# Altium PCB OIS_Anakart.PcbDoc (part 2 of 3) (continued)
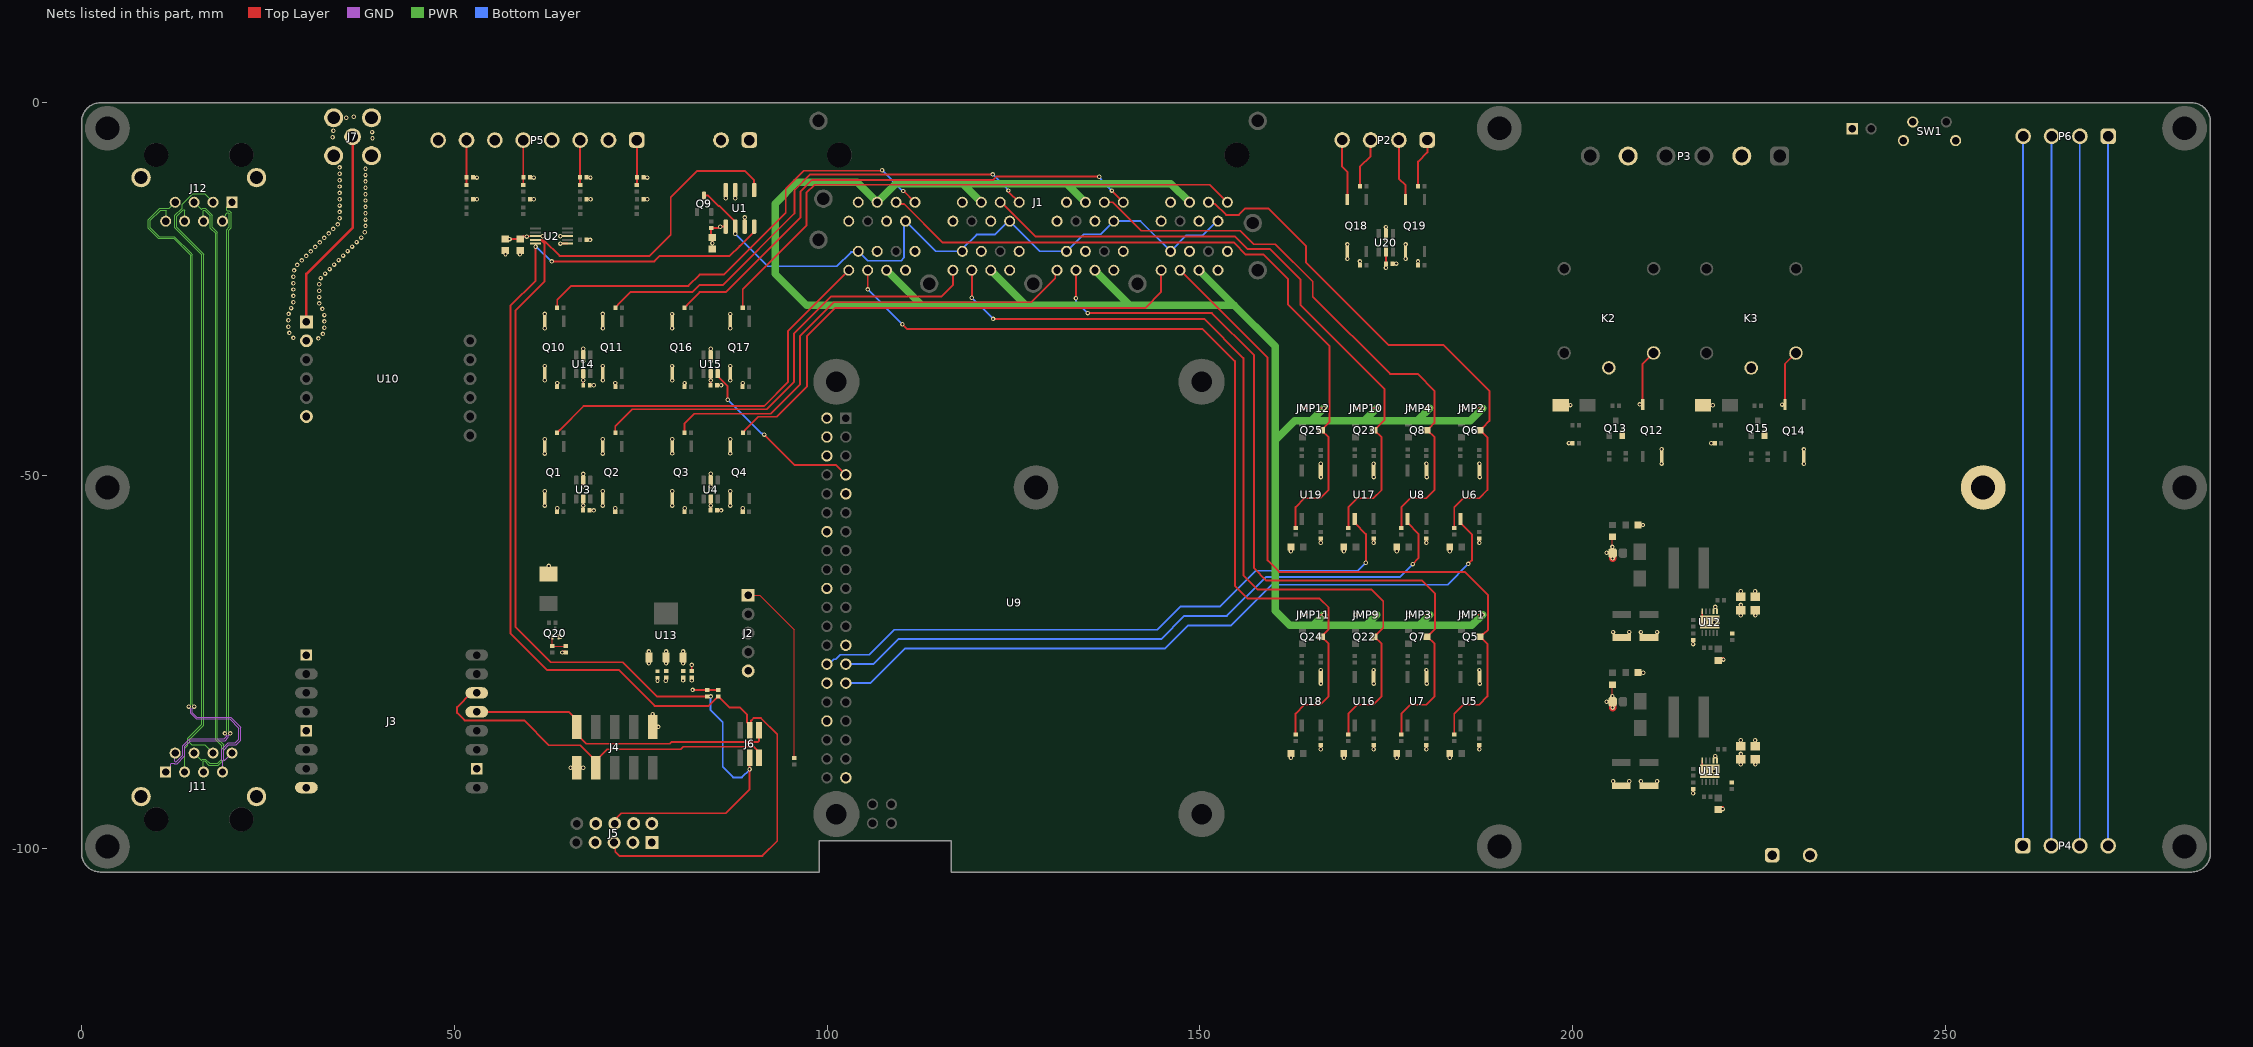
[diagram p4: the nets of this part, all layers, seen from the top]
## Nets (pads, with @x,y where several pads share a name; then routed paths per layer and width w, separated by ;. In a path a pad name is that pad's centre, name@x,y a point inside that pad or via, vN(x,y) a via of type N, cw(c..) or ccw(c..) an arc to the next point about the centre after c; other vN are vias at no path point)
+3V3: C1.2 C6.2 C7.2 C12.2 C28.2 C30.2 C31.2 C32.2 C33.2 C34.2 J2.1 J3.P8 J4.1 J5.4 LS1.P R7.1 R10.2 R12.2 R14.2 R16.2 R34.1 R35.2 R36.1@83.9,-78.768 R37.1@85.4,-78.768 R37.2@71.59,-38.082 R38.1@84.453,-16.8 R47.2 R49.2 R61.2 R63.2 U1.1 U2.8 U3.5 U4.5 U13.2 U14.5 U15.5 U20.5 | length 55.3
  Top Layer w0.127: J2.1@89.41,-66.061 90.961,-66.061 95.6,-70.7 R34.1@95.6,-87.928
  Top Layer w0.254: C7.2@56.808,-18.273 v1(57.405,-18.273) C6.2@58.838,-18.273 59.171,-17.94 v1(59.712,-17.94) 59.753,-17.899 60.885,-17.899 U2.8@60.898,-17.886 v1(61.867,-17.886) ; LS1.P@62.647,-63.198 v1(62.647,-62.13) ; R10.2@63.787,-54.885 v1(63.787,-54.391) ; R35.2@63.795,-38.082 v1(63.795,-37.588) ; v1(65.586,-89.2) J4.1@66.432,-89.2 ; C12.2@67.281,-54.685 U3.5@67.281,-53.14 ; C32.2@67.289,-37.882 U14.5@67.289,-36.337 ; R7.1@67.729,-18.399 v1(68.2,-18.399) ; R12.2@71.582,-54.885 v1(71.582,-54.391) ; R37.2@71.59,-38.082 v1(71.59,-37.588) ; v1(78.392,-73.598) 78.392,-74.407 U13.2@78.395,-74.41 v1(78.395,-75.22) ; R47.2@80.886,-38.088 v1(80.886,-37.594) ; R14.2@80.89,-54.878 v1(80.89,-54.384) ; v1(81.961,-78.768) R36.1@83.9,-78.768 R37.1@85.4,-78.768 ; C33.2@84.38,-37.888 U15.5@84.38,-36.343 v1(84.38,-37.241) ; C31.2@84.384,-54.678 U4.5@84.384,-53.133 ; C1.2@84.611,-17.818 84.555,-17.818 84.453,-17.716 R38.1@84.453,-16.8 85.403,-16.8 85.585,-16.618 v1(85.679,-16.618) U1.1@86.402,-16.618 ; R49.2@88.681,-38.088 v1(88.681,-37.594) ; R16.2@88.686,-54.878 v1(88.686,-54.384) ; R61.2@171.484,-21.772 v1(171.484,-21.278) ; v1(174.978,-22.125) C34.2@174.978,-21.572 U20.5@174.978,-20.027 ; R63.2@179.28,-21.772 v1(179.28,-21.278)
  other v1: 67.277,-89.2 67.281,-54.038 84.384,-54.031 67.289,-37.235
+5V: C27.2 C29.2 J5.1 J5.2 R53.2 SB1.2 U9.2 U9.4 U10.2 U13.3 | length 4.8
  Top Layer w0.152: v1(205.366,-79.586) 205.366,-78.065 R53.2@205.382,-78.05
  Top Layer w0.254: v1(80.682,-73.598) U13.3@80.682,-74.407 ; v1(80.685,-75.22) U13.3@80.685,-74.41 ; v1(81.85,-75.412) C29.2@81.85,-76.221 C29.2@81.853,-76.224 ; U13.3@80.682,-74.407 U13.3@80.685,-74.41 ; U13.3@80.682,-74.407 U13.3@80.685,-74.41
  Top Layer w1: v1(205.382,-81.134) SB1.2@205.382,-80.352
  other v1: 204.574,-80.362
+5V_IO: J1.5_P1 J1.5_P2 J1.5_P3 J1.5_P4 J1.5_P5 J1.5_P6 J1.5_P7 J1.5_P8 JMP1.3 JMP2.3 JMP3.3 JMP4.3 JMP9.3 JMP10.3 JMP11.3 JMP12.3 R58.2 SB2.2 | length 287
  Top Layer w0.152: v1(205.366,-59.586) 205.366,-58.255 R58.2@205.382,-58.24
  Top Layer w0.254: JMP11.3@166.112,-68.681 v1(166.649,-68.681) ; JMP12.3@166.112,-40.979 v1(166.649,-40.979) ; JMP9.3@173.212,-68.681 v1(173.749,-68.681) ; JMP10.3@173.213,-40.979 v1(173.749,-40.979) ; JMP3.3@180.312,-68.681 v1(180.849,-68.681) ; JMP4.3@180.312,-40.979 v1(180.849,-40.979) ; JMP1.3@187.413,-68.681 v1(187.949,-68.681) ; JMP2.3@187.413,-40.98 v1(187.949,-40.98)
  Top Layer w1: v1(205.382,-61.134) SB2.2@205.382,-60.352
  PWR w1: J1.5_P8@107.99,-22.46 112.688,-27.158 ; J1.5_P5@120.69,-13.34 118.186,-10.836 ; J1.5_P6@121.96,-22.46 126.658,-27.158 ; J1.5_P3@134.66,-13.34 132.156,-10.836 ; J1.5_P4@135.93,-22.46 140.628,-27.158 ; J1.5_P1@148.63,-13.34 146.126,-10.836 132.156,-10.836 ; J1.5_P2@149.9,-22.46 154.598,-27.158 ; 165.216,-42.412 v1(166.649,-40.979) ; v1(166.649,-68.681) 165.216,-70.114 ; 172.316,-42.412 v1(173.749,-40.979) ; v1(173.749,-68.681) 172.316,-70.114 ; 179.416,-42.412 v1(180.849,-40.979) ; v1(180.849,-68.681) 179.416,-70.114 ; v1(187.949,-68.681) 186.516,-70.114 179.416,-70.114 ; v1(187.949,-40.98) 186.282,-42.648 179.416,-42.648 172.316,-42.648 165.216,-42.648 162.727,-42.648 160.125,-45.25 ; 112.688,-27.158 97.239,-27.158 93.045,-22.963 93.045,-13.524 95.894,-10.675 104.055,-10.675 J1.5_P7@106.72,-13.34 109.224,-10.836 118.186,-10.836 ; 112.688,-27.158 126.658,-27.158 ; 118.186,-10.836 132.156,-10.836 ; 126.658,-27.158 140.628,-27.158 ; 140.628,-27.158 154.598,-27.158 ; 154.598,-27.158 160.125,-32.685 160.125,-45.25 ; 160.125,-45.25 160.125,-68.168 162.072,-70.114 165.216,-70.114 ; 165.216,-70.114 172.316,-70.114 ; 172.316,-70.114 179.416,-70.114
  other v1: 204.574,-60.362
+12V: C16.1 C17.1 C21.1 C22.1 D8.A D9.C D10.A D11.C J1.4_P1 J1.4_P2 J1.4_P3 J1.4_P4 J1.4_P5 J1.4_P6 J1.4_P7 J1.4_P8 J8.1 JMP1.1 JMP2.1 JMP3.1 JMP4.1 JMP9.1 JMP10.1 JMP11.1 JMP12.1 K2.2 K3.2 P1.1 Q12.6 Q14.6 R51.2 R56.2 U11.6 U11.7 U12.6 U12.7 | length 23.6
  Top Layer w0.127: v1(199.522,-45.656) D8.A@199.992,-45.656 ; v1(218.613,-45.668) D10.A@219.092,-45.668
  Top Layer w0.254: v1(163.774,-68.681) JMP11.1@164.308,-68.681 ; v1(163.774,-40.979) JMP12.1@164.308,-40.979 ; v1(170.874,-68.681) JMP9.1@171.408,-68.681 ; v1(170.874,-40.979) JMP10.1@171.409,-40.979 ; v1(177.974,-68.681) JMP3.1@178.508,-68.681 ; v1(177.974,-40.979) JMP4.1@178.508,-40.979 ; v1(185.074,-68.681) JMP1.1@185.609,-68.681 ; v1(185.074,-40.98) JMP2.1@185.609,-40.98 ; D9.C@198.429,-40.556 v1(199.724,-40.556) ; v1(209.024,-40.465) Q12.6@209.418,-40.465 209.418,-35.026 K2.2@210.888,-33.556 ; D11.C@217.529,-40.568 v1(218.824,-40.568) ; v1(228.124,-40.477) Q14.6@228.518,-40.477 228.518,-35.038 K3.2@229.988,-33.568
  other v1: 222.586,-88.766 224.546,-88.766 219.157,-87.637 222.604,-87.36 222.586,-68.766 224.546,-68.766 219.157,-67.637 222.604,-67.36
ADC0: C2.2 P5.1 R1.2 | length 6
  Top Layer w0.254: R1.2@74.485,-11.031 C2.2@74.485,-9.995 P5.1@74.485,-4.995
ADC1: C4.2 P5.3 R3.2 | length 6
  Top Layer w0.254: R3.2@66.865,-11.031 C4.2@66.865,-9.995 P5.3@66.865,-4.995
ADC2: C8.2 P5.5 R5.2 | length 6
  Top Layer w0.254: R5.2@59.245,-11.031 C8.2@59.245,-9.995 P5.5@59.245,-4.995
ADC3: C10.2 P5.7 R8.2 | length 6
  Top Layer w0.254: R8.2@51.625,-11.031 C10.2@51.625,-9.995 P5.7@51.625,-4.995
ADC_SCL: J5.5 J6.4 R37.2@85.4,-79.632 U1.4 U2.10 | length 169.2
  Top Layer w0.254: v1(60.898,-19.305) 60.898,-23.848 57.51,-27.236 57.51,-71.19 62.406,-76.086 72.052,-76.086 76.872,-80.906 84.096,-80.906 85.37,-79.632 R37.2@85.4,-79.632 85.43,-79.632 86.943,-81.145 88.336,-81.145 89.248,-82.057 89.248,-83.094 J6.4@89.606,-83.452 ; v1(63.058,-21.28) 76.84,-21.28 77.582,-20.538 86.942,-20.538 88.267,-19.213 90.212,-17.268 U1.4@90.212,-16.618 ; J5.5@71.412,-99.24 71.574,-99.402 71.574,-100.483 72.125,-101.034 91.317,-101.034 93.315,-99.036 93.315,-84.729 91.12,-82.534 90.154,-82.534 89.818,-82.871 89.818,-83.24 J6.4@89.606,-83.452 ; J5.5@71.564,-98.705 J5.5@71.755,-98.896 ; J6.4@89.606,-84.176 J6.4@89.606,-83.452
  Bottom Layer w0.254: v1(60.898,-19.305) 60.99,-19.305 62.966,-21.28 v1(63.058,-21.28)
ADC_SDA: J5.6 J6.3 R36.2@83.9,-79.632 U1.5 U2.9 | length 161.8
  Top Layer w0.254: U2.9@60.898,-18.386 61.493,-18.386 61.506,-18.399 61.654,-18.399 61.747,-18.492 ; J5.6@71.514,-96.165 71.648,-96.165 71.793,-96.02 71.793,-95.885 72.372,-95.307 86.394,-95.307 89.606,-92.095 v1(89.606,-89.407) J6.3@89.606,-87.859 ; R36.2@83.9,-79.632 77.143,-79.632 72.561,-75.05 62.938,-75.05 58.173,-70.285 58.173,-27.885 62.078,-23.981 62.078,-18.824 61.747,-18.492 ; U1.5@90.212,-11.708 90.212,-10.394 88.942,-9.124 82.566,-9.124 79.034,-12.657 79.034,-17.714 76.21,-20.538 64.124,-20.538 62.078,-18.492 61.747,-18.492
  Bottom Layer w0.254: v1(84.38,-79.647) 84.38,-81.462 86,-83.082 86,-89.1 87.4,-90.5 88.575,-90.5 89.606,-89.469 v1(89.606,-89.407)
AUX1: P4.4 P6.1 | length 95.2
  Bottom Layer w0.254: P4.4@271.869,-99.684 P6.1@271.869,-4.484
AUX2: P4.3 P6.2 | length 95.2
  Bottom Layer w0.254: P4.3@268.059,-99.684 P6.2@268.059,-4.484
AUX3: P4.2 P6.3 | length 95.2
  Bottom Layer w0.254: P4.2@264.249,-99.684 P6.3@264.249,-4.484
AUX4: P4.1 P6.4 | length 95.2
  Bottom Layer w0.254: P4.1@260.439,-99.684 P6.4@260.439,-4.484
BUZZER_CTRL: Q20.1 R66.2 R67.2 | length 3
  Top Layer w0.127: Q20.1@63.145,-71.623 R66.2@63.145,-72.883 R67.2@64.931,-72.883
COMMON_U_OIS_Relay1: K2.1 P3.5
COMMON_U_OIS_Relay2: K3.1 P3.2
DA_N: J11.2 J12.2 | length 82.5
  GND w0.127: J11.2@12.536,-87.245 12.45,-87.332 12.45,-88.33 12.524,-88.405 12.691,-88.405 13.58,-87.516 13.58,-86.23 14.51,-85.3 19.146,-85.3 19.438,-85.008 19.438,-84.903 19.21,-84.674 v1(19.21,-84.6)
  PWR w0.127: J12.2@18.886,-15.88 18.886,-15.514 19.35,-15.051 19.35,-14.925 19.555,-14.72 19.66,-14.72 19.816,-14.876 19.816,-16.63 19.446,-17 19.446,-84.289 19.21,-84.526 v1(19.21,-84.6)
DA_P: J11.1 J12.1 | length 84.1
  GND w0.127: J11.1@11.266,-89.785 11.942,-89.11 11.942,-88.733 12.038,-88.637 12.397,-88.637 12.419,-88.659 12.796,-88.659 13.834,-87.621 13.834,-86.335 14.616,-85.554 19.251,-85.554 19.692,-85.113 19.692,-84.919 19.937,-84.674 v1(19.937,-84.6)
  PWR w0.127: v1(19.937,-84.6) 19.937,-84.526 19.7,-84.289 19.7,-17.105 20.07,-16.735 20.07,-14.77 19.766,-14.466 19.555,-14.466 19.481,-14.392 19.481,-14.016 J12.1@20.156,-13.34
DB_N: J11.6 J12.6 | length 79.5
  PWR w0.127: J12.6@13.806,-15.88 13.806,-14.413 13.732,-14.339 13.627,-14.339 12.762,-15.203 12.762,-16.676 14.032,-17.946 15.114,-19.027 16.374,-20.288 16.374,-83.477 14.468,-85.383 14.468,-85.834 14.755,-86.121 16.493,-86.121 J11.6@17.616,-87.245
DB_P: J11.3 J12.3 | length 84.2
  PWR w0.127: J11.3@13.806,-89.785 13.806,-86.604 14.214,-86.196 14.214,-85.278 16.12,-83.372 16.12,-20.393 15.008,-19.281 13.943,-18.215 12.508,-16.781 12.508,-15.098 13.466,-14.141 13.466,-13.636 14.886,-12.216 16.493,-12.216 J12.3@17.616,-13.34
DC_N: J11.5 J12.5 | length 81.7
  PWR w0.127: J12.5@15.076,-13.34 16.018,-14.282 16.123,-14.282 16.272,-14.133 16.588,-14.133 17.53,-15.075 17.53,-16.704 18.216,-17.39 18.216,-85.328 19.028,-86.14 19.028,-88.154 18.328,-88.854 17.045,-88.854 16.482,-88.292 16.377,-88.292 16.303,-88.366 16.303,-89.741 J11.5@16.346,-89.785
DC_P: J11.4 J12.4 | length 80.9
  PWR w0.127: J11.4@15.076,-87.245 16.018,-88.187 16.123,-88.187 16.272,-88.038 16.588,-88.038 17.15,-88.6 18.223,-88.6 18.774,-88.049 18.774,-86.245 17.962,-85.433 17.962,-17.496 17.276,-16.81 17.276,-15.18 16.482,-14.387 16.377,-14.387 16.303,-14.461 16.303,-15.836 J12.4@16.346,-15.88
DD_N: J11.8 J12.8 | length 88.6
  GND w0.127: v1(15.091,-81) 15.091,-81.074 14.854,-81.311 14.854,-81.8 15.454,-82.4 19.972,-82.4 21.092,-83.52 21.346,-83.774 21.346,-85.515 20.737,-86.125 19.749,-86.125 19.035,-86.839 19.035,-88.112 19.11,-88.187 19.215,-88.187 J11.8@20.156,-87.245
  PWR w0.127: J12.8@11.266,-15.88 11.31,-15.836 11.31,-14.461 11.241,-14.393 10.576,-14.393 9.2,-15.769 9.2,-16.754 10.392,-17.946 12.434,-17.946 14.604,-20.115 14.854,-20.366 14.854,-80.689 15.091,-80.926 v1(15.091,-81)
DD_P: J11.7 J12.7 | length 89.4
  GND w0.127: v1(14.364,-81) 14.364,-81.074 14.6,-81.311 14.6,-81.905 15.349,-82.654 19.867,-82.654 21.092,-83.88 21.092,-85.41 20.632,-85.871 19.644,-85.871 18.781,-86.733 18.781,-88.217 18.93,-88.366 18.93,-89.741 J11.7@18.886,-89.785
  PWR w0.127: J12.7@12.536,-13.34 11.738,-14.139 10.471,-14.139 9.586,-15.024 8.946,-15.664 8.946,-16.859 10.287,-18.2 12.329,-18.2 14.6,-20.471 14.6,-80.689 14.364,-80.926 v1(14.364,-81)
DIN1_P: J1.1_P1 R50.2 | length 76.9
  Top Layer w0.254: R50.2@88.686,-27.488 88.686,-25.018 97.218,-16.485 97.218,-12.081 98.314,-10.985 151.355,-10.985 J1.1_P1@153.71,-13.34
DIN2_P: J1.1_P2 R17.2 | length 70.9
  Top Layer w0.254: R17.2@88.69,-44.278 88.69,-44.248 89.013,-43.926 89.013,-43.89 90.781,-42.122 93.229,-42.122 97.324,-38.027 97.324,-31.263 101.049,-27.537 142.656,-27.537 144.82,-25.373 J1.1_P2@144.82,-22.46
DIN3_P: J1.1_P3 R48.2 | length 69.8
  Top Layer w0.254: R48.2@80.886,-27.488 80.886,-27.458 81.208,-27.135 81.208,-27.1 82.91,-25.398 86.395,-25.398 96.451,-15.343 96.451,-11.857 97.978,-10.33 122.302,-10.33 122.723,-9.909 v1(136.518,-9.909) ; v1(138.213,-11.773) 138.213,-11.793 139.74,-13.32 J1.1_P3@139.74,-13.34
  Bottom Layer w0.254: v1(136.518,-9.909) 136.518,-10.003 136.771,-10.256 136.771,-10.33 v1(138.213,-11.773)
DIN4_P: J1.1_P4 R15.2 | length 64
  Top Layer w0.254: R15.2@80.89,-44.278 80.89,-43.008 82.185,-41.713 92.421,-41.713 96.394,-37.741 96.394,-31.263 100.903,-26.753 127.409,-26.753 130.616,-23.546 130.616,-22.694 J1.1_P4@130.85,-22.46
DIN5_P: J1.1_P5 R38.2@71.595,-27.482 | length 65.1
  Top Layer w0.254: R38.2@71.595,-27.482 71.595,-27.452 71.917,-27.129 71.917,-27.094 73.613,-25.398 81.933,-25.398 82.91,-24.421 86.052,-24.421 95.629,-14.844 95.629,-11.702 97.718,-9.613 v1(122.236,-9.613) ; v1(124.338,-11.763) 124.338,-11.908 J1.1_P5@125.77,-13.34
  Bottom Layer w0.254: v1(122.236,-9.613) 124.319,-11.696 124.319,-11.744 v1(124.338,-11.763)
DIN6_P: J1.1_P6 R13.2 | length 59.9
  Top Layer w0.254: R13.2@71.587,-44.285 71.587,-43.364 73.846,-41.105 91.92,-41.105 95.57,-37.454 95.57,-30.94 100.509,-26.001 115.332,-26.001 116.88,-24.453 J1.1_P6@116.88,-22.46
DIN7_P: J1.1_P7 R36.2@63.795,-27.482 | length 59.9
  Top Layer w0.254: R36.2@63.795,-27.482 63.795,-26.427 65.65,-24.572 81.387,-24.572 82.91,-23.049 86.143,-23.049 94.461,-14.731 94.461,-11.498 96.845,-9.114 107.324,-9.114 v1(107.379,-9.059) ; v1(110.227,-11.83) 110.258,-11.83 111.769,-13.34 J1.1_P7@111.8,-13.34
  Bottom Layer w0.254: v1(107.379,-9.059) 110.035,-11.715 110.112,-11.715 v1(110.227,-11.83)
DIN8_P: J1.1_P8 R11.2 | length 52.2
  Top Layer w0.254: R11.2@63.787,-44.285 63.787,-44.255 64.109,-43.932 64.109,-43.897 67.33,-40.675 91.562,-40.675 94.783,-37.454 94.783,-30.587 J1.1_P8@102.91,-22.46
DIN9_N: P2.2 Q19.3 | length 8.4
  Top Layer w0.254: P2.2@176.726,-4.988 176.726,-10.177 177.608,-11.059 Q19.3@177.608,-12.98
DIN9_P: P2.1 R64.2 | length 6.7
  Top Layer w0.254: R64.2@179.284,-11.172 179.284,-7.892 180.536,-6.64 P2.1@180.536,-4.988
DIN10_N: P2.4 Q18.3 | length 8.3
  Top Layer w0.254: P2.4@169.106,-4.988 169.106,-8.569 169.808,-9.271 Q18.3@169.808,-12.98
DIN10_P: P2.3 R62.2 | length 6.8
  Top Layer w0.254: R62.2@171.484,-11.172 171.484,-8.569 172.916,-7.137 P2.3@172.916,-4.988
DO1: J1.3_P2 Q5.3 R21.2 | length 98.5
  Top Layer w0.254: J1.3_P2@147.36,-22.46 159.102,-34.202 159.102,-61.381 160.646,-62.925 185.569,-62.925 188.68,-66.035 188.68,-70.673 188.053,-71.3 187.922,-71.3 Q5.3@187.599,-71.623 Q5.3@187.624,-71.623 ; R21.2@184.149,-84.749 184.149,-81.933 185.328,-80.754 187.491,-80.754 188.599,-79.646 188.599,-72.598 Q5.3@187.624,-71.623 ; Q5.3@187.947,-71.275 187.947,-71.3 Q5.3@187.624,-71.623
DO2: J1.3_P1 Q6.3 R25.2 | length 73.2
  Top Layer w0.254: J1.3_P1@151.17,-13.34 151.376,-13.546 152.04,-13.546 153.528,-15.035 155.241,-15.035 156.107,-14.168 159.217,-14.168 164.248,-19.199 164.248,-21.408 175.315,-32.476 182.678,-32.476 188.859,-38.657 188.859,-42.662 187.947,-43.575 Q6.3@187.947,-43.6 ; R25.2@184.149,-57.048 184.149,-54.232 185.327,-53.054 187.49,-53.054 188.599,-51.945 188.599,-44.898 187.624,-43.923 Q6.3@187.947,-43.599 ; Q6.3@187.599,-43.923 Q6.3@187.922,-43.599 ; Q6.3@187.868,-43.653 187.893,-43.653 Q6.3@187.947,-43.6
DO3: J1.3_P4 Q7.3 R29.2 | length 108.7
  Top Layer w0.254: v1(133.39,-26.231) J1.3_P4@133.39,-22.46 ; v1(134.985,-28.211) 151.638,-28.211 157.285,-33.857 157.285,-62.445 158.95,-64.11 179.829,-64.11 181.57,-65.851 181.57,-70.552 Q7.3@180.847,-71.275 ; R29.2@177.049,-84.749 177.049,-81.933 178.227,-80.754 180.39,-80.754 181.499,-79.646 181.499,-72.598 Q7.3@180.524,-71.623 ; Q7.3@180.524,-71.623 Q7.3@180.499,-71.623 Q7.3@180.524,-71.623 ; Q7.3@180.524,-71.623 Q7.3@180.847,-71.3 ; Q7.3@180.524,-71.623 Q7.3@180.847,-71.3 ; Q7.3@180.847,-71.3 Q7.3@180.847,-71.275 ; Q7.3@180.847,-71.3 Q7.3@180.847,-71.275
  Bottom Layer w0.254: v1(133.39,-26.231) 133.39,-26.616 v1(134.985,-28.211)
DO4: J1.3_P3 Q8.3 R33.2 | length 78.8
  Top Layer w0.254: J1.3_P3@137.2,-13.34 138.336,-13.34 142.16,-17.165 155.415,-17.165 157.224,-18.973 160.161,-18.973 165.159,-23.971 165.159,-25.992 175.541,-36.375 179.221,-36.375 181.475,-38.629 181.475,-42.945 180.847,-43.573 Q8.3@180.847,-43.598 ; R33.2@177.049,-57.047 177.049,-54.231 178.227,-53.052 180.39,-53.052 181.499,-51.944 181.499,-44.896 180.524,-43.921 Q8.3@180.847,-43.598 ; Q8.3@180.499,-43.921 Q8.3@180.822,-43.598 ; Q8.3@180.768,-43.652 180.793,-43.652 Q8.3@180.847,-43.598
DO5: J1.3_P6 Q22.3 R72.2 | length 115
  Top Layer w0.254: v1(119.42,-26.142) J1.3_P6@119.42,-22.46 ; v1(122.27,-28.991) 150.582,-28.991 155.845,-34.255 155.845,-63.391 157.764,-65.31 173.055,-65.31 174.614,-66.869 174.614,-70.433 Q22.3@173.542,-71.505 ; R72.2@169.949,-84.749 169.949,-81.933 171.127,-80.754 173.29,-80.754 174.399,-79.646 174.399,-72.598 Q22.3@173.424,-71.623 ; Q22.3@173.399,-71.623 Q22.3@173.424,-71.623 ; Q22.3@173.747,-71.275 173.747,-71.3 Q22.3@173.424,-71.623
  Bottom Layer w0.254: v1(119.42,-26.142) v1(122.27,-28.991)
DO6: J1.3_P5 Q23.3 R76.2 | length 87.2
  Top Layer w0.254: J1.3_P5@123.23,-13.34 123.365,-13.34 127.975,-17.95 154.733,-17.95 156.408,-19.626 159.434,-19.626 163.504,-23.695 163.504,-27.094 174.807,-38.398 174.807,-42.513 173.747,-43.574 Q23.3@173.747,-43.599 ; R76.2@169.949,-57.047 169.949,-54.231 171.127,-53.053 173.29,-53.053 174.399,-51.944 174.399,-44.897 173.424,-43.922 Q23.3@173.747,-43.599 ; Q23.3@173.399,-43.922 Q23.3@173.722,-43.599 ; Q23.3@173.668,-43.652 173.693,-43.652 Q23.3@173.747,-43.599
DO7: J1.3_P8 Q24.3 R80.2 | length 120.7
  Top Layer w0.254: v1(105.45,-25.043) J1.3_P8@105.45,-22.46 ; v1(110.111,-29.704) 110.757,-30.35 150.394,-30.35 154.706,-34.663 154.706,-64.77 156.445,-66.509 166.099,-66.509 167.299,-67.708 167.299,-70.623 166.647,-71.275 166.647,-71.3 Q24.3@166.324,-71.623 ; R80.2@162.849,-84.749 162.849,-81.933 164.027,-80.754 166.19,-80.754 167.299,-79.646 167.299,-72.598 Q24.3@166.324,-71.623 ; Q24.3@166.299,-71.623 Q24.3@166.324,-71.623
  Bottom Layer w0.254: v1(105.45,-25.043) v1(110.111,-29.704)
DO8: J1.3_P7 Q25.3 R84.2 | length 97.1
  Top Layer w0.254: J1.3_P7@109.26,-13.34 109.495,-13.574 110.334,-13.574 115.525,-18.765 154.599,-18.765 156.201,-20.367 158.572,-20.367 161.864,-23.659 161.864,-27.094 167.415,-32.645 167.415,-42.805 166.647,-43.573 Q25.3@166.647,-43.598 ; R84.2@162.849,-57.047 162.849,-54.231 164.027,-53.052 166.19,-53.052 167.299,-51.944 167.299,-44.896 166.324,-43.921 Q25.3@166.593,-43.652 ; Q25.3@166.299,-43.921 Q25.3@166.622,-43.598 ; Q25.3@166.568,-43.652 Q25.3@166.593,-43.652 ; Q25.3@166.593,-43.652 Q25.3@166.647,-43.598 ; Q25.3@166.593,-43.652 Q25.3@166.647,-43.598
DS_IO: J1.2_P1 J1.2_P2 J1.2_P3 J1.2_P4 J1.2_P5 J1.2_P6 J1.2_P7 J1.2_P8 Q9.3 U1.2 | length 90.4
  Top Layer w0.254: Q9.3@83.503,-12.451 84.038,-12.451 85.453,-13.865 85.57,-13.865 87.672,-15.968 U1.2@87.672,-16.618 v1(87.672,-17.579)
  Bottom Layer w0.254: v1(87.672,-17.579) 92.02,-21.927 101.323,-21.927 103.217,-20.033 104.068,-20.033 J1.2_P8@104.18,-19.92 105.448,-21.188 109.922,-21.188 110.318,-20.792 110.318,-16.093 J1.2_P7@110.53,-15.88 114.57,-19.92 J1.2_P6@118.15,-19.92 118.15,-19.593 120.055,-17.689 122.484,-17.689 124.292,-15.88 J1.2_P5@124.5,-15.88 128.54,-19.92 J1.2_P4@132.12,-19.92 132.161,-19.92 134.451,-17.63 136.721,-17.63 J1.2_P3@138.47,-15.88 142.05,-15.88 J1.2_P2@146.09,-19.92 146.09,-19.909 148.207,-17.792 150.391,-17.792 152.303,-15.88 J1.2_P1@152.44,-15.88
ESP_SCL: J3.P13 J4.2 J6.6 | length 42.4
  Top Layer w0.254: J3.P13@53.005,-81.708 65.354,-81.708 66.432,-82.786 J4.2@66.432,-83.739 66.94,-84.247 66.94,-85.256 67.667,-85.983 78.888,-85.983 79.108,-85.763 90.673,-85.763 90.876,-85.56 J6.6@90.876,-84.176
ESP_SDA: J3.P14 J4.3 J6.5 | length 50.1
  Top Layer w0.254: J3.P14@53.005,-79.168 52.282,-79.168 50.368,-81.082 50.368,-81.855 51.372,-82.859 59.351,-82.859 62.68,-86.188 66.912,-86.188 J4.3@68.972,-88.247 ; J4.3@68.972,-89.2 J4.3@68.972,-88.247 ; J6.5@90.876,-87.859 90.876,-87.135 90.133,-86.392 80.71,-86.392 80.372,-86.731 70.488,-86.731 J4.3@68.972,-88.247
FGND: J11.S1 J11.S2 J12.S1 J12.S2
GMS_ANT: J7.1 U10.1 | length 27.4
  Top Layer w0.349: U10.1@30.145,-29.388 30.145,-22.966 36.337,-16.774 J7.1@36.337,-4.548
GND: C1.1 C2.1 C3.1 C4.1 C5.1 C6.1 C7.1 C8.1 C9.1 C10.1 C11.1 C12.1 C16.2 C17.2 C18.1 C19.1 C20.1 C21.2 C22.2 C24.1 C25.1 C26.1 C27.1 C28.1 C29.1 C30.1 C31.1 C32.1 C33.1 C34.1 D1.C D2.C D3.C D4.C D5.C D15.C D17.C D18.C D19.C D20.C D21.C J1.7_P1 J1.7_P2 J1.7_P3 J1.7_P4 J1.7_P5 J1.7_P6 J1.7_P7 J1.7_P8 J1.8_P1 J1.8_P2 J1.8_P3 J1.8_P4 J1.8_P5 J1.8_P6 J1.8_P7 J1.8_P8 J2.5 J3.P1 J3.P5 J3.P10 J4.10 J5.3 J5.7 J5.8 J7.SH1 J7.SH2 J7.SH3 J7.SH4 J8.2 MH4.1 P1.2 P5.2 P5.4 P5.6 P5.8 Q1.3 Q1.4 Q2.3 Q2.4 Q3.3 Q3.4 Q4.3 Q4.4 Q10.3 Q10.4 Q11.3 Q11.4 Q12.3 Q13.2 Q14.3 Q15.2 Q16.3 Q16.4 Q17.3 Q17.4 Q18.4 Q19.4 Q20.2 R20.1 R24.1 R28.1 R32.1 R55.2 R60.2 R67.1 R71.1 R75.1 R79.1 R83.1 SW1.2 SW1.G1 SW1.G2 U1.3 U1.7 U1.8 U2.1 U2.3 U3.2 U4.2 U5.4 U6.4 U7.4 U8.4 U9.6 U9.9 U9.14 U9.20 U9.25 U9.30 U9.34 U9.39 U10.6 U11.10 U11.11 U12.10 U12.11 U13.1 U14.2 U15.2 U16.4 U17.4 U18.4 U19.4 U20.2 | length 121.2
  Top Layer w0.127: C11.1@52.499,-12.934 v1(53.025,-12.934) ; C10.1@52.499,-9.995 52.534,-10.03 v1(53.021,-10.03)
  Top Layer w0.254: C10.1@52.495,-10.03 C10.1@52.534,-10.03 ; C8.1@60.115,-10.03 v1(60.641,-10.03) ; C9.1@60.119,-12.934 v1(60.645,-12.934) ; Q1.4@62.111,-53.076 v1(62.111,-52.115) ; v1(62.111,-47.055) v1(62.111,-45.131) ; v1(62.115,-54.038) Q1.4@62.115,-53.076 ; Q20.2@63.945,-71.623 v1(64.234,-71.623) ; v1(64.228,-18.886) U2.1@65.198,-18.886 ; v1(64.228,-17.886) U2.3@65.198,-17.886 ; v1(64.477,-73.747) 64.477,-73.639 64.497,-73.619 64.911,-73.619 R67.1@64.931,-73.6 ; v1(67.281,-51.475) U3.2@67.281,-50.63 v1(67.281,-49.785) ; C4.1@67.735,-10.03 v1(68.261,-10.03) ; C5.1@67.739,-12.934 v1(68.265,-12.934) ; C12.1@68.155,-54.685 v1(68.681,-54.685) ; Q2.4@69.911,-53.076 v1(69.911,-52.115) ; Q2.3@69.911,-46.093 v1(69.911,-45.131) ; v1(69.915,-54.038) Q2.4@69.915,-53.076 ; v1(69.915,-47.054) Q2.3@69.915,-46.093 ; C2.1@75.355,-10.03 v1(75.881,-10.03) ; C3.1@75.359,-12.934 v1(75.885,-12.934) ; v1(76.102,-73.598) 76.102,-74.407 U13.1@76.105,-74.41 v1(76.105,-75.22) ; J4.10@76.592,-83.739 v1(76.592,-82.007) ; C30.1@77.246,-77.132 C30.1@77.249,-77.135 v1(77.249,-77.535) ; v1(78.367,-77.535) 78.367,-77.151 C28.1@78.395,-77.123 C28.1@78.392,-77.12 ; Q3.4@79.214,-53.07 v1(79.214,-52.108) ; v1(79.214,-47.048) v1(79.214,-45.125) ; v1(79.219,-54.031) Q3.4@79.219,-53.07 ; C27.1@80.682,-77.105 C27.1@80.685,-77.108 v1(80.685,-77.502) ; C29.1@81.85,-77.095 81.853,-77.098 v1(81.853,-77.502) ; v1(84.38,-34.678) U15.2@84.38,-33.833 v1(84.38,-32.988) ; v1(84.384,-51.468) U4.2@84.384,-50.623 v1(84.384,-49.778) ; v1(84.611,-18.85) 84.611,-18.199 ; C31.1@85.258,-54.678 v1(85.784,-54.678) ; v1(86.402,-12.793) U1.8@86.402,-11.708 ; Q4.4@87.014,-53.07 v1(87.014,-52.108) ; Q4.3@87.014,-46.086 v1(87.014,-45.125) ; v1(87.019,-54.031) Q4.4@87.019,-53.07 ; v1(87.019,-47.048) Q4.3@87.019,-46.086 ; v1(87.672,-12.793) U1.7@87.672,-11.708 ; U1.3@88.942,-16.618 v1(88.942,-15.38) v1@88.942,-15.363 ; v1(162.235,-87.859) D20.C@162.235,-87.281 ; v1(162.235,-60.157) D21.C@162.235,-59.579 ; v1(166.219,-86.723) R79.1@166.219,-86.145 ; U18.4@166.219,-77.031 v1(166.219,-76.111) v1@166.249,-76.081 ; v1(166.219,-59.021) R83.1@166.219,-58.443 ; U19.4@166.219,-49.329 v1(166.219,-48.409) v1@166.249,-48.379 ; v1@166.225,-77.948 v1(166.255,-77.918) U18.4@166.255,-76.998 ; v1@166.225,-50.246 v1(166.255,-50.216) U19.4@166.255,-49.296 ; v1(169.335,-87.859) D18.C@169.335,-87.281 ; v1(169.335,-60.157) D19.C@169.335,-59.579 ; Q18.4@169.808,-19.963 v1(169.808,-19.002) ; v1(169.812,-20.925) Q18.4@169.812,-19.963 ; v1(173.319,-86.723) R71.1@173.319,-86.145 ; U16.4@173.319,-77.031 v1(173.319,-76.111) v1@173.349,-76.081 ; v1(173.319,-59.021) R75.1@173.319,-58.443 ; U17.4@173.319,-49.329 v1(173.319,-48.409) v1@173.349,-48.379 ; v1@173.325,-77.948 v1(173.355,-77.918) U16.4@173.355,-76.998 ; v1@173.325,-50.246 v1(173.355,-50.216) U17.4@173.355,-49.296 ; v1(174.978,-18.362) U20.2@174.978,-17.517 v1(174.978,-16.672) ; C34.1@175.852,-21.572 v1(176.378,-21.572) ; v1(176.435,-87.859) D3.C@176.435,-87.281 ; v1(176.435,-60.157) D4.C@176.435,-59.579 ; Q19.4@177.608,-19.963 v1(177.608,-19.002) ; v1(177.612,-20.925) Q19.4@177.612,-19.963 ; v1(180.419,-86.723) R28.1@180.419,-86.145 ; U7.4@180.419,-77.031 v1(180.419,-76.111) v1@180.449,-76.081 ; v1(180.419,-59.021) R32.1@180.419,-58.443 ; U8.4@180.419,-49.329 v1(180.419,-48.409) v1@180.449,-48.379 ; v1@180.425,-77.948 v1(180.455,-77.918) U7.4@180.455,-76.998 ; v1@180.425,-50.246 v1(180.455,-50.216) U8.4@180.455,-49.296 ; v1(183.535,-87.859) D1.C@183.535,-87.281 ; v1(183.535,-60.158) D2.C@183.535,-59.58 ; v1(187.519,-86.723) R20.1@187.519,-86.145 ; U5.4@187.519,-77.031 v1(187.519,-76.111) v1@187.549,-76.081 ; v1(187.519,-59.022) R24.1@187.519,-58.444 ; U6.4@187.519,-49.33 v1(187.519,-48.41) v1@187.549,-48.38 ; v1@187.526,-77.948 v1(187.556,-77.918) U5.4@187.556,-76.998 ; v1@187.525,-50.247 v1(187.555,-50.217) U6.4@187.555,-49.297 ; Q13.2@206.663,-44.656 v1(206.663,-44.117) ; D15.C@208.798,-76.45 v1(209.486,-76.45) ; D17.C@208.798,-56.64 v1(209.469,-56.64) ; v1(211.958,-48.406) Q12.3@211.958,-47.448 v1(211.958,-46.49) ; R55.2@216.182,-92.058 v1(216.182,-92.615) v1@216.216,-92.649 ; R60.2@216.182,-72.058 v1(216.182,-72.615) v1@216.216,-72.649 ; U11.10@217.419,-88.23 217.419,-88.928 218.169,-89.678 U11.11@218.42,-89.678 ; U12.10@217.419,-68.23 217.419,-68.928 218.169,-69.678 U12.11@218.42,-69.678 ; C20.1@219.57,-94.833 219.903,-94.5 220.187,-94.5 220.187,-94.741 220.17,-94.759 v1(220.164,-94.759) ; C26.1@219.57,-74.833 219.903,-74.5 220.262,-74.5 v1(220.262,-74.689) ; C16.2@222.596,-86.295 v1(222.596,-85.529) ; C21.2@222.596,-66.295 v1(222.596,-65.529) ; C17.2@224.498,-86.295 v1(224.498,-85.519) ; C22.2@224.498,-66.295 v1(224.498,-65.519) ; Q15.2@225.763,-44.668 v1(225.763,-44.13) ; v1(231.058,-48.418) Q14.3@231.058,-47.46 v1(231.058,-46.502) ; U14.2@67.289,-33.827 v1(67.289,-32.982) U14.2@67.289,-33.827 ; U14.2@67.289,-33.827 v1(67.289,-34.672) U14.2@67.289,-33.827 ; Q10.4@62.119,-36.274 v1(62.119,-35.312) Q10.4@62.119,-36.274 ; v1(62.119,-30.252) v1(62.119,-28.328) v1(62.119,-30.252) ; v1(62.123,-37.235) 62.123,-36.273 v1(62.123,-37.235) ; C32.1@68.163,-37.882 v1(68.689,-37.882) C32.1@68.163,-37.882 ; Q11.4@69.919,-36.274 v1(69.919,-35.312) Q11.4@69.919,-36.274 ; Q11.3@69.919,-29.29 v1(69.919,-28.328) Q11.3@69.919,-29.29 ; v1(69.923,-37.235) 69.923,-36.273 v1(69.923,-37.235) ; v1(69.923,-30.252) 69.923,-29.29 v1(69.923,-30.252) ; Q16.4@79.21,-36.28 v1(79.21,-35.318) Q16.4@79.21,-36.28 ; v1(79.21,-30.258) v1(79.21,-28.334) v1(79.21,-30.258) ; v1(79.214,-37.241) 79.214,-36.279 v1(79.214,-37.241) ; C33.1@85.254,-37.888 v1(85.78,-37.888) C33.1@85.254,-37.888 ; Q17.4@87.01,-36.28 v1(87.01,-35.318) Q17.4@87.01,-36.28 ; Q17.3@87.01,-29.296 v1(87.01,-28.334) Q17.3@87.01,-29.296 ; v1(87.014,-37.241) 87.014,-36.279 v1(87.014,-37.241) ; v1(87.014,-30.258) 87.014,-29.296 v1(87.014,-30.258)
  other v1: 205.455,-91.013 207.635,-91.013 209.183,-91.013 211.362,-91.013 219.04,-89.691 217.799,-89.664 77.37,-83.739 205.455,-71.013 207.635,-71.013 209.183,-71.013 211.362,-71.013 219.04,-69.691 217.799,-69.664 31.755,-31.609 28.405,-31.536 32.361,-31.007 27.861,-30.878 32.565,-30.178 27.725,-30.035 32.565,-29.324 27.725,-29.181 32.56,-28.47 27.745,-28.327 32.299,-27.656 28.084,-27.543 31.881,-26.912 28.41,-26.754 31.881,-26.058 28.41,-25.9 31.881,-25.204 28.41,-25.046 31.881,-24.35 28.41,-24.192 32.053,-23.513 28.41,-23.338 32.657,-22.91 28.486,-22.487 33.26,-22.306 28.912,-21.747 33.864,-21.702 29.515,-21.143 34.468,-21.098 30.119,-20.539 35.072,-20.494 56.856,-20.327 58.79,-20.336 30.722,-19.935 35.676,-19.89 31.326,-19.331 36.28,-19.286 31.93,-18.727 36.884,-18.682 32.534,-18.123 37.488,-18.079 33.138,-17.519 37.962,-17.369 33.742,-16.915 38.073,-16.522 34.346,-16.312 38.073,-15.668 34.602,-15.497 38.073,-14.814 34.602,-14.643 38.073,-13.96 34.602,-13.789 38.073,-13.106 34.602,-12.935 38.073,-12.252 34.602,-12.081 38.073,-11.398 34.602,-11.227 38.073,-10.544 34.602,-10.373 38.073,-9.69 34.602,-9.519 38.073,-8.836 34.602,-8.665 39.014,-4.769 33.65,-4.606 38.951,-3.917 33.765,-3.76 35.504,-1.995 36.49,-1.867
GPIO0: U8.1 U9.27 | length 88.6
  Top Layer w0.254: U8.1@177.879,-55.829 177.879,-56.349 179.344,-57.814 179.344,-61.105 v1(178.562,-61.886)
  Bottom Layer w0.254: U9.27@102.515,-75.315 106.178,-75.315 109.551,-71.942 144.828,-71.942 147.926,-68.844 153.651,-68.844 158.859,-63.635 176.813,-63.635 v1(178.562,-61.886)
GPIO1: U9.28 U17.1 | length 84.4
  Top Layer w0.254: U17.1@170.779,-55.829 170.779,-56.349 172.286,-57.857 v1(172.286,-61.705)
  Bottom Layer w0.254: U9.28@99.975,-75.315 100.262,-75.315 100.927,-74.65 101.186,-74.65 101.782,-74.054 105.668,-74.054 109.034,-70.688 144.308,-70.688 147.406,-67.59 152.697,-67.59 157.509,-62.778 171.213,-62.778 v1(172.286,-61.705)
GPIO4: U9.7 U15.6 | length 24.1
  Top Layer w0.254: U15.6@85.33,-36.343 85.33,-36.658 86.006,-37.334 86.009,-37.334 86.636,-37.961 86.636,-39.805 v1(86.667,-39.836) ; v1(91.562,-44.515) 95.614,-48.567 101.167,-48.567 U9.7@102.515,-49.915
  Bottom Layer w0.254: v1(86.667,-39.836) 86.678,-39.836 91.211,-44.369 91.322,-44.369 91.468,-44.515 v1(91.562,-44.515)
GPIO5: U6.1 U9.29 | length 97
  Top Layer w0.254: U6.1@184.979,-55.83 184.979,-56.35 186.503,-57.875 186.503,-61.391 v1(186.025,-61.87)
  Bottom Layer w0.254: U9.29@102.515,-77.855 105.805,-77.855 110.465,-73.196 145.347,-73.196 148.445,-70.098 154.2,-70.098 159.645,-64.652 183.242,-64.652 v1(186.025,-61.87)